# KiCad board BACKUP_PCB.kicad_pcb (continued)
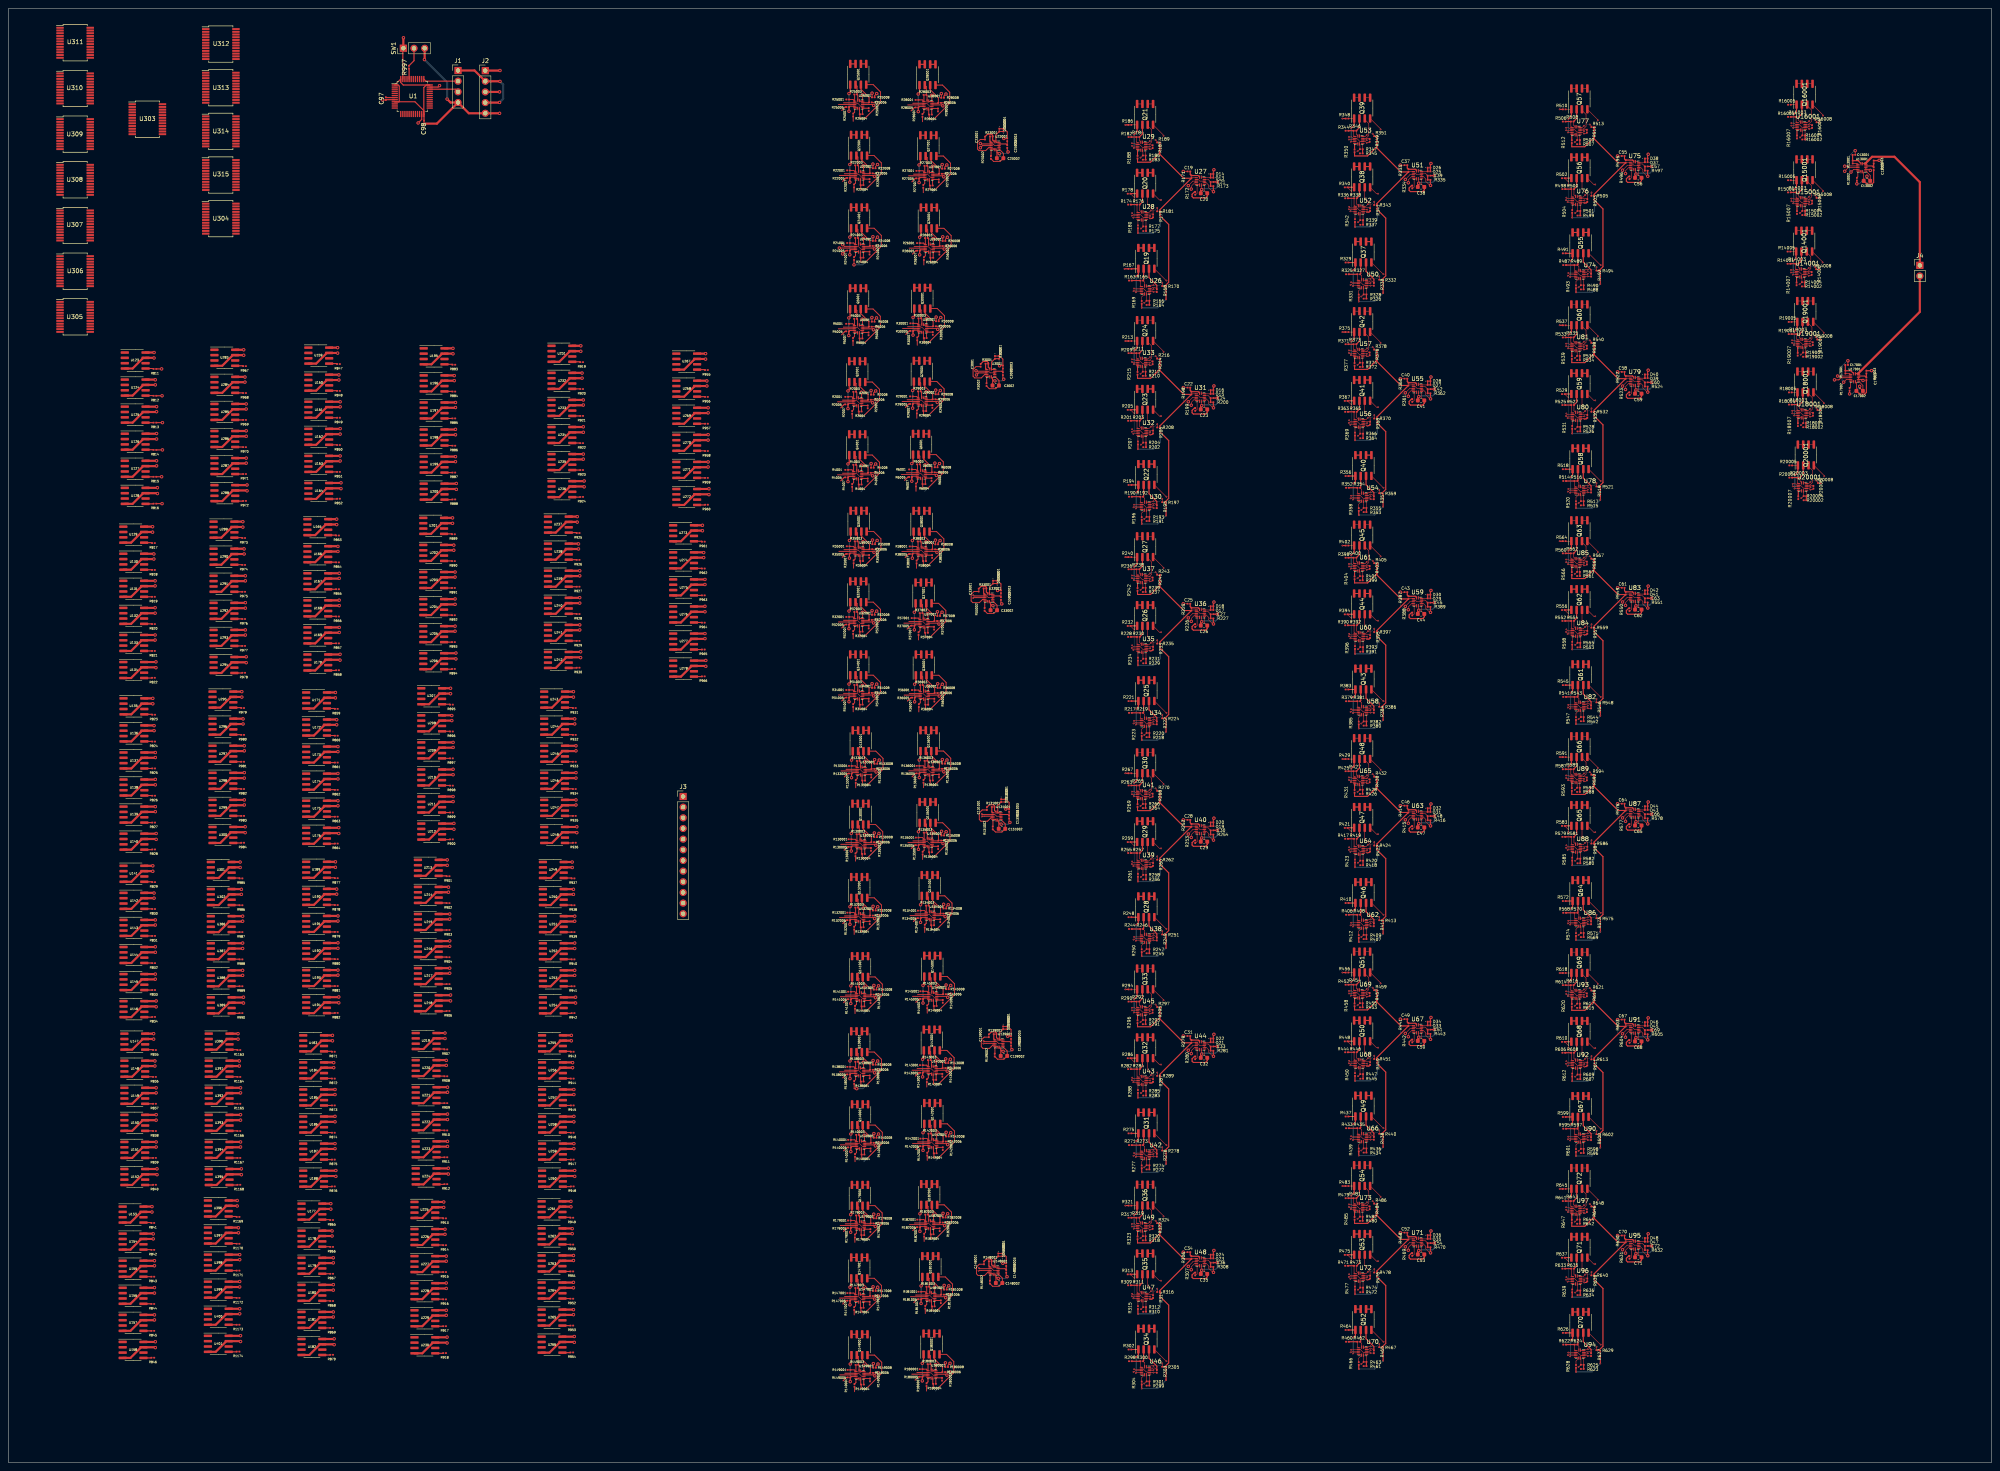
[diagram p0: board, top side]
## Routing (per net, layer and track width the routed paths; a pad name or vN(x,y) marks a point on that pad's centre or on a via; arc(x,y) is an arc through that point) (continued)
/InNeuron_1/Adder3/SUM_IN: length 60.6
  Top w0.2: v2(223.66,291.98) 223.18,291.5 R26008.2 ; R27007.2 217.93,302.6 ; v2(207.03,309.3) 206.55,308.82 R22008.2 ; R24008.2 206.55,291.52 v2(207.03,292) ; R24007.2 v2(201.43,285.4) ; v2(206.83,326.2) 206.35,325.72 R25008.2 ; R25007.2 201.23,319.6 ; R28007.2 217.73,319.5 ; R27008.2 223.05,308.72 v2(223.53,309.2) ; R22007.2 201.43,302.7 ; R28008.2 222.85,325.62 v2(223.33,326.1) ; R26007.2 218.06,285.38
  Top w0.25: 234.08,314.62 234.05,314.62 233.81,314.87 R23001.1
  Bottom w0.2: v2(206.83,326.2) 207.53,325.5 ; 224.23,306.8 220.03,302.6 ; v2(207.03,309.3) 207.73,308.6 ; 207.53,323.8 203.33,319.6 ; v2(223.53,309.2) 224.23,308.5 ; 224.03,323.7 219.83,319.5 ; v2(223.33,326.1) 224.03,325.4 ; v2(201.43,285.4) 203.53,285.4 207.73,289.6 207.73,291.3 v2(207.03,292) ; v2(223.66,291.98) 224.36,291.27 ; 224.36,289.57 220.16,285.38 ; 207.73,306.9 203.53,302.7
/InNeuron_1/OUT: length 4.6
  Top w0.2: D23002.1 D23001.2 235.23,316.38 U23001.13 235.38,314.6 U23001.12
/InNeuron_2/Adder3/SUM_IN: length 56.8
  Top w0.2: R4007.2 200.99,231.35 ; R6007.2 216.19,231.45 ; R4008.2 206.11,237.47 v2(206.59,237.95) ; v2(206.59,255.35) 206.11,254.87 R2008.2 ; v2(221.79,238.05) 221.31,237.57 R6008.2 ; R30007.2 216.49,266.25 ; R29007.2 216.39,248.85 ; v2(206.79,272.75) 206.31,272.27 R5008.2 ; v2(222.09,272.85) 221.61,272.37 R30008.2 ; R5007.2 201.19,266.15 ; R2007.2 200.99,248.75 ; R29008.2 221.51,254.97 v2(221.99,255.45)
  Top w0.25: 233.04,260.48 233.01,260.48 232.77,260.72 R3001.1
  Bottom w0.2: v2(206.59,237.95) 207.29,237.25 ; 207.49,270.35 203.29,266.15 ; 222.79,270.45 218.59,266.25 ; v2(221.99,255.45) 222.69,254.75 ; v2(206.79,272.75) 207.49,272.05 ; v2(222.09,272.85) 222.79,272.15 ; v2(206.59,255.35) 207.29,254.65 ; 207.29,235.55 203.09,231.35 ; 222.49,235.65 218.29,231.45 ; 207.29,252.95 203.09,248.75 ; 222.69,253.05 218.49,248.85 ; v2(221.79,238.05) 222.49,237.35
/InNeuron_2/OUT: length 4.6
  Top w0.2: U3001.12 234.34,260.45 U3001.13 234.19,262.23 D3001.2 D3002.1
/InNeuron_3/Adder3/SUM_IN: length 56.8
  Top w0.2: v2(222.46,185.47) 221.98,185 R36008.2 ; R38008.2 221.45,219.22 v2(221.93,219.7) ; v2(206.93,219.72) 206.45,219.25 R35008.2 ; v2(206.83,185.5) 206.35,185.02 R34008.2 ; R37008.2 221.92,202.15 v2(222.4,202.62) ; R32007.2 201.23,196.3 ; R32008.2 206.35,202.42 v2(206.83,202.9) ; R38007.2 216.33,213.1 ; R35007.2 201.33,213.12 ; R36007.2 216.86,178.88 ; R37007.2 216.8,196.03 ; R34007.2 201.23,178.9
  Top w0.25: 232.58,206.93 232.55,206.93 232.31,207.17 R33001.1
  Bottom w0.2: v2(206.83,185.5) 207.53,184.8 ; 222.63,217.3 218.43,213.1 ; v2(222.4,202.62) 223.1,201.93 ; 207.53,200.5 203.33,196.3 ; v2(221.93,219.7) 222.63,219 ; 207.63,217.32 203.43,213.12 ; 223.1,200.22 218.9,196.03 ; 207.53,183.1 203.33,178.9 ; v2(222.46,185.47) 223.16,184.78 ; v2(206.83,202.9) 207.53,202.2 ; v2(206.93,219.72) 207.63,219.03 ; 223.16,183.07 218.96,178.88
/InNeuron_3/OUT: length 4.6
  Top w0.2: U33001.12 233.88,206.9 U33001.13 233.73,208.68 D33001.2 D33002.1
/InNeuron_4/Adder3/SUM_IN: length 56.8
  Top w0.2: v2(223.57,167.43) 223.09,166.94 R136008.2 ; R130007.2 201.77,143.32 ; v2(207.44,167.4) 206.96,166.92 R133008.2 ; R130008.2 206.89,149.44 v2(207.37,149.93) ; R134007.2 218.27,126.32 ; R135008.2 222.89,149.84 v2(223.37,150.32) ; R134008.2 223.39,132.44 v2(223.87,132.93) ; R132007.2 201.47,125.85 ; R136007.2 217.97,160.82 ; R132008.2 206.59,131.97 v2(207.07,132.45) ; R133007.2 201.84,160.8 ; R135007.2 217.77,143.72
  Top w0.25: R131001.1 234.25,155.09 234.49,154.85 234.52,154.85
  Bottom w0.2: v2(207.07,132.45) 207.77,131.75 ; v2(223.37,150.32) 224.07,149.62 ; 208.07,147.53 203.87,143.32 ; 224.57,130.53 220.37,126.32 ; 208.14,165 203.94,160.8 ; v2(223.87,132.93) 224.57,132.22 ; v2(207.37,149.93) 208.07,149.22 ; 224.27,165.03 220.07,160.82 ; v2(223.57,167.43) 224.27,166.72 ; 224.07,147.93 219.87,143.72 ; 207.77,130.05 203.57,125.85 ; v2(207.44,167.4) 208.14,166.7
/InNeuron_4/OUT: length 4.6
  Top w0.2: 236.42,154.82 235.82,154.82 U131001.13 235.67,156.6 D131001.2 D131002.1
/InNeuron_5/Adder3/SUM_IN: length 58.9
  Top w0.2: R142007.2 218.87,72 ; R145007.2 218.87,107.1 ; R138008.2 206.59,95.22 v2(207.07,95.7) ; R143007.2 218.77,89.5 ; v2(207.27,113.6) 206.79,113.12 R141008.2 ; R145008.2 223.99,113.22 v2(224.47,113.7) ; R141007.2 201.67,107 ; R140007.2 201.67,71.7 ; R142008.2 223.99,78.12 v2(224.47,78.6) ; v2(224.37,96.1) 223.89,95.62 R143008.2 ; v2(207.27,78.3) 206.79,77.82 R140008.2 ; R138007.2 201.47,89.1
  Top w0.25: 201.47,89.1 v2(202.07,89.1) ; R139001.1 234.72,100.97 234.96,100.73 234.99,100.73
  Bottom w0.2: 225.17,76.2 220.97,72 ; 207.97,75.9 203.77,71.7 ; v2(224.47,113.7) 225.17,113 ; v2(207.07,95.7) 207.77,95 ; v2(224.37,96.1) 225.07,95.4 ; v2(207.27,113.6) 207.97,112.9 ; v2(207.27,78.3) 207.97,77.6 ; v2(224.47,78.6) 225.17,77.9 ; 207.97,111.2 203.77,107 ; 207.77,93.3 203.57,89.1 ; 225.07,93.7 220.87,89.5 ; 225.17,111.3 220.97,107.1
  Bottom w0.25: v2(202.07,89.1) 203.57,89.1
/InNeuron_5/OUT: length 4.6
  Top w0.2: D139002.1 D139001.2 236.14,102.48 U139001.13 236.29,100.7 U139001.12
/InNeuron_6/Adder3/SUM_IN: length 56.8
  Top w0.2: R181008.2 223.52,41.64 v2(224,42.12) ; R182007.2 218.13,52.69 ; R149008.2 206.65,23.01 v2(207.13,23.49) ; R181007.2 218.4,35.52 ; R180007.2 218.7,17.07 ; v2(223.73,59.29) 223.25,58.81 R182008.2 ; R147008.2 206.59,41.31 v2(207.07,41.79) ; v2(207.23,59.09) 206.75,58.61 R179008.2 ; R179007.2 201.63,52.49 ; v2(224.3,23.67) 223.82,23.19 R180008.2 ; R149007.2 201.53,16.89 ; R147007.2 201.47,35.19
  Top w0.25: 233.83,46.62 233.81,46.62 233.56,46.86 R148001.1
  Bottom w0.2: 224.43,56.89 220.23,52.69 ; 225,21.27 220.8,17.07 ; 224.7,39.72 220.5,35.52 ; v2(207.23,59.09) 207.93,58.39 ; 207.93,56.69 203.73,52.49 ; v2(224.3,23.67) 225,22.97 ; v2(224,42.12) 224.7,41.42 ; v2(207.07,41.79) 207.77,41.09 ; 207.77,39.39 203.57,35.19 ; 207.83,21.09 203.63,16.89 ; v2(207.13,23.49) 207.83,22.79 ; v2(223.73,59.29) 224.43,58.59
/InNeuron_6/OUT: length 4.6
  Top w0.2: D148002.1 D148001.2 234.98,48.37 U148001.13 235.13,46.59 U148001.12
/L5_OUT1: length 36.8
  Top w0.2: U13001.13 442.29,309.5 U13001.12
  Top w0.5: 442.29,309.5 443.94,311.15 449.26,311.15 455.31,305.1 J4.1
/L5_OUT2: length 30.2
  Top w0.2: U17001.13 440.56,259.45 U17001.12
  Top w0.5: 440.56,259.45 455.31,274.2 J4.2
/Neuron6_1/Adder2/SUM_IN: length 74
  Top w0.1: U27.1 281.91,306.15
  Top w0.25: R169.2 v1(269.96,275.15) ; R188.2 268.96,309.85 272.06,309.85 274.28,312.07 R189.2 274.28,311.73 279.98,306.03 R171.1 274.28,298.51 R181.2 274.36,298.07 v1(274.36,297.05) 276.38,295.02 276.38,281.25 R170.2 275.76,280.07 v1(275.76,277.15) ; R180.2 v1(269.06,292.95)
  Bottom w0.25: v1(269.06,292.95) 272.76,292.95 274.36,294.55 v1(274.36,297.05) ; v1(269.96,275.15) 273.76,275.15 v1(275.76,277.15)
/Neuron6_1/OUT: length 3.2
  Top w0.1: D13.2 U27.12 284.74,306.3 U27.13
  Top w0.25: D14.1 D13.2
/Neuron6_2/Adder2/SUM_IN: length 74
  Top w0.1: U31.1 281.91,254.65
  Top w0.25: R215.2 268.96,258.35 272.06,258.35 274.28,260.57 R216.2 274.28,260.23 279.98,254.53 R198.1 274.28,247.01 R208.2 274.36,246.57 v1(274.36,245.55) 276.38,243.52 276.38,229.75 R197.2 275.76,228.57 v1(275.76,225.65) ; R207.2 v1(269.06,241.45) ; R196.2 v1(269.96,223.65)
  Bottom w0.25: v1(275.76,225.65) 273.76,223.65 v1(269.96,223.65) ; v1(269.06,241.45) 272.76,241.45 274.36,243.05 v1(274.36,245.55)
/Neuron6_3/Adder2/SUM_IN: length 74
  Top w0.1: U36.1 281.91,203.15
  Top w0.25: R234.2 v1(269.06,189.95) ; R242.2 268.96,206.85 272.06,206.85 274.28,209.07 R243.2 274.28,208.73 279.98,203.03 R225.1 274.28,195.51 R235.2 274.36,195.07 v1(274.36,194.05) 276.38,192.02 276.38,178.25 R224.2 275.76,177.07 v1(275.76,174.15) ; R223.2 v1(269.96,172.15)
  Bottom w0.25: v1(269.96,172.15) 273.76,172.15 v1(275.76,174.15) ; v1(269.06,189.95) 272.76,189.95 274.36,191.55 v1(274.36,194.05)
/Neuron6_4/Adder2/SUM_IN: length 74
  Top w0.1: U40.1 281.91,151.65
  Top w0.25: v1(275.76,122.65) 275.76,125.57 R251.2 276.38,126.75 276.38,140.52 v1(274.36,142.55) 274.36,143.57 R262.2 274.28,144.01 R252.1 279.98,151.53 274.28,157.23 R270.2 274.28,157.57 272.06,155.35 268.96,155.35 R269.2 ; R261.2 v1(269.06,138.45) ; R250.2 v1(269.96,120.65)
  Bottom w0.25: v1(269.06,138.45) 272.76,138.45 274.36,140.05 v1(274.36,142.55) ; v1(269.96,120.65) 273.76,120.65 v1(275.76,122.65)
/Neuron6_5/Adder2/SUM_IN: length 74
  Top w0.1: U44.1 281.91,100.15
  Top w0.25: R277.2 v1(269.96,69.15) ; R288.2 v1(269.06,86.95) ; v1(275.76,71.15) 275.76,74.07 R278.2 276.38,75.25 276.38,89.02 v1(274.36,91.05) 274.36,92.07 R289.2 274.28,92.51 R279.1 279.98,100.03 274.28,105.73 R297.2 274.28,106.07 272.06,103.85 268.96,103.85 R296.2
  Bottom w0.25: v1(275.76,71.15) 273.76,69.15 v1(269.96,69.15) ; v1(274.36,91.05) 274.36,88.55 272.76,86.95 v1(269.06,86.95)
/Neuron6_6/Adder2/SUM_IN: length 74
  Top w0.1: U48.1 281.91,48.65
  Top w0.25: R315.2 v1(269.06,35.45) ; v1(275.76,19.65) 275.76,22.57 R305.2 276.38,23.75 276.38,37.52 v1(274.36,39.55) 274.36,40.57 R316.2 274.28,41.01 R306.1 279.98,48.53 274.28,54.23 R324.2 274.28,54.57 272.06,52.35 268.96,52.35 R323.2 ; R304.2 v1(269.96,17.65)
  Bottom w0.25: v1(275.76,19.65) 273.76,17.65 v1(269.96,17.65) ; v1(274.36,39.55) 274.36,37.05 272.76,35.45 v1(269.06,35.45)
/Neuron6_7/Adder2/SUM_IN: length 74
  Top w0.1: U51.1 333.61,307.65
  Top w0.25: R342.2 v1(320.76,294.45) ; v1(327.46,278.65) 327.46,281.57 R332.2 328.08,282.75 328.08,296.52 v1(326.06,298.55) 326.06,299.57 R343.2 325.98,300.01 R333.1 331.68,307.53 325.98,313.23 R351.2 325.98,313.57 323.76,311.35 320.66,311.35 R350.2 ; R331.2 v1(321.66,276.65)
  Bottom w0.25: v1(326.06,298.55) 326.06,296.05 324.46,294.45 v1(320.76,294.45) ; v1(327.46,278.65) 325.46,276.65 v1(321.66,276.65)
/Neuron6_8/Adder2/SUM_IN: length 74
  Top w0.1: U55.1 333.61,256.78
  Top w0.25: R369.2 v1(320.76,243.58) ; v1(327.46,227.78) 327.46,230.7 R359.2 328.08,231.88 328.08,245.65 v1(326.06,247.68) 326.06,248.7 R370.2 325.98,249.14 R360.1 331.68,256.66 325.98,262.36 R378.2 325.98,262.7 323.76,260.48 320.66,260.48 R377.2 ; R358.2 v1(321.66,225.78)
  Bottom w0.25: v1(320.76,243.58) 324.46,243.58 326.06,245.18 v1(326.06,247.68) ; v1(327.46,227.78) 325.46,225.78 v1(321.66,225.78)
/Neuron6_9/Adder2/SUM_IN: length 74
  Top w0.1: U59.1 333.61,205.91
  Top w0.25: v1(327.46,176.91) 327.46,179.83 R386.2 328.08,181.01 328.08,194.78 v1(326.06,196.81) 326.06,197.83 R397.2 325.98,198.27 R387.1 331.68,205.79 325.98,211.49 R405.2 325.98,211.83 323.76,209.61 320.66,209.61 R404.2 ; R385.2 v1(321.66,174.91) ; R396.2 v1(320.76,192.71)
  Bottom w0.25: v1(326.06,196.81) 326.06,194.31 324.46,192.71 v1(320.76,192.71) ; v1(321.66,174.91) 325.46,174.91 v1(327.46,176.91)
/Neuron6_10/Adder2/SUM_IN: length 74
  Top w0.1: U63.1 333.61,155.04
  Top w0.25: R412.2 v1(321.66,124.04) ; R431.2 320.66,158.74 323.76,158.74 325.98,160.96 R432.2 325.98,160.62 331.68,154.92 R414.1 325.98,147.4 R424.2 326.06,146.96 v1(326.06,145.94) 328.08,143.91 328.08,130.14 R413.2 327.46,128.96 v1(327.46,126.04) ; R423.2 v1(320.76,141.84)
  Bottom w0.25: v1(326.06,145.94) 326.06,143.44 324.46,141.84 v1(320.76,141.84) ; v1(327.46,126.04) 325.46,124.04 v1(321.66,124.04)
/Neuron6_10/IN2: length 3.2
  Top w0.1: D15.2 U31.12 284.74,254.8 U31.13
  Top w0.25: D16.1 D15.2
/Neuron6_10/IN3: length 3.2
  Top w0.1: U36.13 284.74,203.3 U36.12 D17.2
  Top w0.25: D18.1 D17.2
/Neuron6_10/IN4: length 3.2
  Top w0.1: U40.13 284.74,151.8 U40.12 D19.2
  Top w0.25: D20.1 D19.2
/Neuron6_10/IN5: length 3.2
  Top w0.1: U44.13 284.74,100.3 U44.12 D21.2
  Top w0.25: D22.1 D21.2
/Neuron6_10/IN6: length 3.2
  Top w0.1: D23.2 U48.12 284.74,48.8 U48.13
  Top w0.25: D24.1 D23.2
/Neuron6_10/OUT: length 3.2
  Top w0.1: D31.2 U63.12 336.44,155.19 U63.13
  Top w0.25: D32.1 D31.2
/Neuron6_11/Adder2/SUM_IN: length 74
  Top w0.1: U67.1 333.61,104.17
  Top w0.25: R458.2 320.66,107.87 323.76,107.87 325.98,110.09 R459.2 325.98,109.75 331.68,104.05 R441.1 325.98,96.53 R451.2 326.06,96.09 v1(326.06,95.07) 328.08,93.04 328.08,79.27 R440.2 327.46,78.09 v1(327.46,75.17) ; R450.2 v1(320.76,90.97) ; R439.2 v1(321.66,73.17)
  Bottom w0.25: v1(320.76,90.97) 324.46,90.97 326.06,92.57 v1(326.06,95.07) ; v1(327.46,75.17) 325.46,73.17 v1(321.66,73.17)
/Neuron6_11/OUT: length 3.2
  Top w0.1: D33.2 U67.12 336.44,104.32 U67.13
  Top w0.25: D34.1 D33.2
/Neuron6_12/Adder2/SUM_IN: length 74
  Top w0.1: U71.1 333.61,53.3
  Top w0.25: v1(327.46,24.3) 327.46,27.22 R467.2 328.08,28.4 328.08,42.17 v1(326.06,44.2) 326.06,45.22 R478.2 325.98,45.66 R468.1 331.68,53.18 325.98,58.88 R486.2 325.98,59.22 323.76,57 320.66,57 R485.2 ; R466.2 v1(321.66,22.3) ; R477.2 v1(320.76,40.1)
  Bottom w0.25: v1(326.06,44.2) 326.06,41.7 324.46,40.1 v1(320.76,40.1) ; v1(327.46,24.3) 325.46,22.3 v1(321.66,22.3)
/Neuron6_12/OUT: length 3.2
  Top w0.1: U71.13 336.44,53.45 U71.12 D35.2
  Top w0.25: D36.1 D35.2
/Neuron6_13/Adder2/SUM_IN: length 74
  Top w0.1: U75.1 385.36,309.84
  Top w0.25: R504.2 v1(372.5,296.64) ; R512.2 372.4,313.54 375.5,313.54 377.72,315.76 R513.2 377.72,315.42 383.42,309.72 R495.1 377.72,302.2 R505.2 377.8,301.76 v1(377.8,300.74) 379.82,298.71 379.82,284.94 R494.2 379.2,283.76 v1(379.2,280.84) ; R493.2 v1(373.4,278.84)
  Bottom w0.25: v1(373.4,278.84) 377.2,278.84 v1(379.2,280.84) ; v1(377.8,300.74) 377.8,298.24 376.2,296.64 v1(372.5,296.64)
/Neuron6_13/IN1: length 3.2
  Top w0.1: U51.13 336.44,307.8 U51.12 D25.2
  Top w0.25: D26.1 D25.2
/Neuron6_13/IN2: length 3.2
  Top w0.1: U55.13 336.44,256.93 U55.12 D27.2
  Top w0.25: D28.1 D27.2
/Neuron6_13/IN3: length 3.2
  Top w0.1: D29.2 U59.12 336.44,206.06 U59.13
  Top w0.25: D30.1 D29.2
/Neuron6_13/OUT: length 3.2
  Top w0.1: U75.13 388.19,309.99 U75.12 D37.2
  Top w0.25: D38.1 D37.2
/Neuron6_14/Adder2/SUM_IN: length 74
  Top w0.1: U79.1 385.36,258.39
  Top w0.25: R539.2 372.4,262.09 375.5,262.09 377.72,264.31 R540.2 377.72,263.97 383.42,258.27 R522.1 377.72,250.76 R532.2 377.8,250.31 v1(377.8,249.29) 379.82,247.27 379.82,233.5 R521.2 379.2,232.31 v1(379.2,229.39) ; R520.2 v1(373.4,227.39) ; R531.2 v1(372.5,245.19)
  Bottom w0.25: v1(377.8,249.29) 377.8,246.79 376.2,245.19 v1(372.5,245.19) ; v1(379.2,229.39) 377.2,227.39 v1(373.4,227.39)
/Neuron6_14/OUT: length 3.2
  Top w0.1: D39.2 U79.12 388.19,258.54 U79.13
  Top w0.25: D40.1 D39.2
/Neuron6_15/Adder2/SUM_IN: length 74
  Top w0.1: U83.1 385.36,206.95
  Top w0.25: R558.2 v1(372.5,193.75) ; R547.2 v1(373.4,175.95) ; R566.2 372.4,210.65 375.5,210.65 377.72,212.87 R567.2 377.72,212.53 383.42,206.83 R549.1 377.72,199.31 R559.2 377.8,198.87 v1(377.8,197.85) 379.82,195.82 379.82,182.05 R548.2 379.2,180.87 v1(379.2,177.95)
  Bottom w0.25: v1(377.8,197.85) 377.8,195.35 376.2,193.75 v1(372.5,193.75) ; v1(379.2,177.95) 377.2,175.95 v1(373.4,175.95)
/Neuron6_15/OUT: length 3.2
  Top w0.1: U83.13 388.19,207.1 U83.12 D41.2
  Top w0.25: D42.1 D41.2
/Neuron6_16/Adder2/SUM_IN: length 74
  Top w0.1: U87.1 385.36,155.51
  Top w0.25: v1(379.2,126.51) 379.2,129.43 R575.2 379.82,130.61 379.82,144.38 v1(377.8,146.41) 377.8,147.43 R586.2 377.72,147.87 R576.1 383.42,155.39 377.72,161.09 R594.2 377.72,161.43 375.5,159.21 372.4,159.21 R593.2 ; R574.2 v1(373.4,124.51) ; R585.2 v1(372.5,142.31)
  Bottom w0.25: v1(379.2,126.51) 377.2,124.51 v1(373.4,124.51) ; v1(377.8,146.41) 377.8,143.91 376.2,142.31 v1(372.5,142.31)
/Neuron6_16/OUT: length 3.2
  Top w0.1: U87.13 388.19,155.66 U87.12 D43.2
  Top w0.25: D44.1 D43.2
/Neuron6_17/Adder2/SUM_IN: length 74
  Top w0.1: U91.1 385.36,104.06
  Top w0.25: R612.2 v1(372.5,90.86) ; v1(379.2,75.06) 379.2,77.98 R602.2 379.82,79.17 379.82,92.94 v1(377.8,94.96) 377.8,95.98 R613.2 377.72,96.42 R603.1 383.42,103.94 377.72,109.64 R621.2 377.72,109.98 375.5,107.76 372.4,107.76 R620.2 ; R601.2 v1(373.4,73.06)
  Bottom w0.25: v1(379.2,75.06) 377.2,73.06 v1(373.4,73.06) ; v1(377.8,94.96) 377.8,92.46 376.2,90.86 v1(372.5,90.86)
/Neuron6_17/OUT: length 3.2
  Top w0.1: D45.2 U91.12 388.19,104.21 U91.13
  Top w0.25: D46.1 D45.2
/Neuron6_18/Adder2/SUM_IN: length 74
  Top w0.1: U95.1 385.36,52.62
  Top w0.25: R647.2 372.4,56.32 375.5,56.32 377.72,58.54 R648.2 377.72,58.2 383.42,52.5 R630.1 377.72,44.98 R640.2 377.8,44.54 v1(377.8,43.52) 379.82,41.49 379.82,27.72 R629.2 379.2,26.54 v1(379.2,23.62) ; R628.2 v1(373.4,21.62) ; R639.2 v1(372.5,39.42)
  Bottom w0.25: v1(379.2,23.62) 377.2,21.62 v1(373.4,21.62) ; v1(372.5,39.42) 376.2,39.42 377.8,41.02 v1(377.8,43.52)
/Neuron6_18/OUT: length 3.2
  Top w0.1: D47.2 U95.12 388.19,52.77 U95.13
  Top w0.25: D48.1 D47.2
/NRST: length 2.1
  Top w0.25: 89.97,325.25 U1.7
/OutNeuron_1/AdderOut1/SUM_IN: length 1.3
  Top w0.15: R13001.1 440.32,309.58 U13001.1
/OutNeuron_2/AdderOut1/SUM_IN: length 1.3
  Top w0.15: U17001.1 438.58,259.52 R17001.1
/SWCLK: length 8.4
  Top w0.25: U1.37 99.45,329.16 J1.2
/SWDIO: length 7
  Top w0.25: U1.34 106.47,327.25 J1.3
/W111: length 1.3
  Top w0.25: Q25001.8 Q25001.7
/W112: length 1.3
  Top w0.25: Q25001.6 Q25001.5
/W113: length 1.3
  Top w0.25: Q22001.8 Q22001.7
/W114: length 1.3
  Top w0.25: Q22001.6 Q22001.5
/W115: length 1.3
  Top w0.25: Q24001.8 Q24001.7
/W116: length 1.3
  Top w0.25: Q24001.6 Q24001.5
/W117: length 1.3
  Top w0.25: Q28001.8 Q28001.7
/W118: length 1.3
  Top w0.25: Q28001.6 Q28001.5
/W119: length 1.3
  Top w0.25: Q27001.8 Q27001.7
/W121: length 1.3
  Top w0.25: Q5001.8 Q5001.7
/W122: length 1.3
  Top w0.25: Q5001.6 Q5001.5
/W123: length 1.3
  Top w0.25: Q2001.8 Q2001.7
/W124: length 1.3
  Top w0.25: Q2001.6 Q2001.5
/W125: length 1.3
  Top w0.25: Q4001.8 Q4001.7
/W126: length 1.3
  Top w0.25: Q4001.6 Q4001.5
/W127: length 1.3
  Top w0.25: Q30001.8 Q30001.7
/W128: length 1.3
  Top w0.25: Q30001.6 Q30001.5
/W129: length 1.3
  Top w0.25: Q29001.8 Q29001.7
/W131: length 1.3
  Top w0.25: Q35001.8 Q35001.7
/W132: length 1.3
  Top w0.25: Q35001.6 Q35001.5
/W133: length 1.3
  Top w0.25: Q32001.8 Q32001.7
/W134: length 1.3
  Top w0.25: Q32001.6 Q32001.5
/W135: length 1.3
  Top w0.25: Q34001.8 Q34001.7
/W136: length 1.3
  Top w0.25: Q34001.6 Q34001.5
/W137: length 1.3
  Top w0.25: Q38001.8 Q38001.7
/W138: length 1.3
  Top w0.25: Q38001.6 Q38001.5
/W139: length 1.3
  Top w0.25: Q37001.8 Q37001.7
/W141: length 1.3
  Top w0.25: Q133001.8 Q133001.7
/W142: length 1.3
  Top w0.25: Q133001.6 Q133001.5
/W143: length 1.3
  Top w0.25: Q130001.8 Q130001.7
/W144: length 1.3
  Top w0.25: Q130001.6 Q130001.5
/W145: length 1.3
  Top w0.25: Q132001.8 Q132001.7
/W146: length 1.3
  Top w0.25: Q132001.6 Q132001.5
/W147: length 1.3
  Top w0.25: Q136001.8 Q136001.7
/W148: length 1.3
  Top w0.25: Q136001.6 Q136001.5
/W149: length 1.3
  Top w0.25: Q135001.8 Q135001.7
/W151: length 1.3
  Top w0.25: 200.96,120.68 202.23,120.68
/W152: length 1.3
  Top w0.25: 203.5,120.68 204.77,120.68
/W153: length 1.3
  Top w0.25: Q138001.8 Q138001.7
/W154: length 1.3
  Top w0.25: Q138001.6 Q138001.5
/W155: length 1.3
  Top w0.25: Q140001.8 Q140001.7
/W156: length 1.3
  Top w0.25: Q140001.6 Q140001.5
/W157: length 1.3
  Top w0.25: Q145001.8 Q145001.7
/W158: length 1.3
  Top w0.25: Q145001.6 Q145001.5
/W159: length 1.3
  Top w0.25: 218.06,103.18 219.33,103.18
/W161: length 1.3
  Top w0.25: Q179001.8 Q179001.7
/W162: length 1.3
  Top w0.25: Q179001.6 Q179001.5
/W163: length 1.3
  Top w0.25: Q147001.8 Q147001.7
/W164: length 1.3
  Top w0.25: Q147001.6 Q147001.5
/W165: length 1.3
  Top w0.25: Q149001.8 Q149001.7
/W166: length 1.3
  Top w0.25: Q149001.6 Q149001.5
/W167: length 1.3
  Top w0.25: Q182001.8 Q182001.7
/W168: length 1.3
  Top w0.25: Q182001.6 Q182001.5
/W169: length 1.3
  Top w0.25: Q181001.8 Q181001.7
/W211: length 1.3
  Top w0.1: Q21.7 Q21.8
/W212: length 1.3
  Top w0.1: Q21.6 Q21.5
/W213: length 1.3
  Top w0.25: Q19.8 Q19.7
/W214: length 1.3
  Top w0.25: Q19.6 Q19.5
/W215: length 1.3
  Top w0.25: Q20.7 Q20.8
/W216: length 1.3
  Top w0.25: Q20.6 Q20.5
/W221: length 1.3
  Top w0.1: Q24.7 Q24.8
/W222: length 1.3
  Top w0.1: Q24.6 Q24.5
/W223: length 1.3
  Top w0.25: Q22.8 Q22.7
/W224: length 1.3
  Top w0.25: Q22.6 Q22.5
/W225: length 1.3
  Top w0.25: Q23.7 Q23.8
/W226: length 1.3
  Top w0.25: Q23.6 Q23.5
/W231: length 1.3
  Top w0.1: Q27.7 Q27.8
/W232: length 1.3
  Top w0.1: Q27.6 Q27.5
/W233: length 1.3
  Top w0.25: Q25.8 Q25.7
/W234: length 1.3
  Top w0.25: Q25.6 Q25.5
/W235: length 1.3
  Top w0.25: Q26.7 Q26.8
/W236: length 1.3
  Top w0.25: Q26.6 Q26.5
/W241: length 1.3
  Top w0.1: Q30.7 Q30.8
/W242: length 1.3
  Top w0.1: Q30.6 Q30.5
/W243: length 1.3
  Top w0.25: Q28.8 Q28.7
/W244: length 1.3
  Top w0.25: Q28.6 Q28.5
/W245: length 1.3
  Top w0.25: Q29.7 Q29.8
/W246: length 1.3
  Top w0.25: Q29.6 Q29.5
/W251: length 1.3
  Top w0.1: Q33.7 Q33.8
/W252: length 1.3
  Top w0.1: Q33.6 Q33.5
/W253: length 1.3
  Top w0.25: Q31.8 Q31.7
/W254: length 1.3
  Top w0.25: Q31.6 Q31.5
/W255: length 1.3
  Top w0.25: Q32.7 Q32.8
/W256: length 1.3
  Top w0.25: Q32.6 Q32.5
/W261: length 1.3
  Top w0.1: Q36.7 Q36.8
/W262: length 1.3
  Top w0.1: Q36.6 Q36.5
/W263: length 1.3
  Top w0.25: Q34.8 Q34.7
/W264: length 1.3
  Top w0.25: Q34.6 Q34.5
/W265: length 1.3
  Top w0.25: Q35.7 Q35.8
/W266: length 1.3
  Top w0.25: Q35.6 Q35.5
/W311: length 1.3
  Top w0.1: Q39.7 Q39.8
/W312: length 1.3
  Top w0.1: Q39.6 Q39.5
/W313: length 1.3
  Top w0.25: Q37.8 Q37.7
/W314: length 1.3
  Top w0.25: Q37.6 Q37.5
/W315: length 1.3
  Top w0.25: Q38.7 Q38.8
/W316: length 1.3
  Top w0.25: Q38.6 Q38.5
/W321: length 1.3
  Top w0.1: Q42.7 Q42.8
/W322: length 1.3
  Top w0.1: Q42.6 Q42.5
/W323: length 1.3
  Top w0.25: Q40.8 Q40.7
/W324: length 1.3
  Top w0.25: Q40.6 Q40.5
/W325: length 1.3
  Top w0.25: Q41.7 Q41.8
/W326: length 1.3
  Top w0.25: Q41.6 Q41.5
/W331: length 1.3
  Top w0.1: Q45.7 Q45.8
/W332: length 1.3
  Top w0.1: Q45.6 Q45.5
/W333: length 1.3
  Top w0.25: Q43.8 Q43.7
/W334: length 1.3
  Top w0.25: Q43.6 Q43.5
/W335: length 1.3
  Top w0.25: Q44.7 Q44.8
/W336: length 1.3
  Top w0.25: Q44.6 Q44.5
/W341: length 1.3
  Top w0.1: Q48.7 Q48.8
/W342: length 1.3
  Top w0.1: Q48.6 Q48.5
/W343: length 1.3
  Top w0.25: Q46.8 Q46.7
/W344: length 1.3
  Top w0.25: Q46.6 Q46.5
/W345: length 1.3
  Top w0.25: Q47.7 Q47.8
/W346: length 1.3
  Top w0.25: Q47.6 Q47.5
/W351: length 1.3
  Top w0.1: Q51.7 Q51.8
/W352: length 1.3
  Top w0.1: Q51.6 Q51.5
/W353: length 1.3
  Top w0.25: Q49.8 Q49.7
/W354: length 1.3
  Top w0.25: Q49.6 Q49.5
/W355: length 1.3
  Top w0.25: Q50.7 Q50.8
/W356: length 1.3
  Top w0.25: Q50.6 Q50.5
/W361: length 1.3
  Top w0.1: Q54.7 Q54.8
/W362: length 1.3
  Top w0.1: Q54.6 Q54.5
/W363: length 1.3
  Top w0.25: Q52.8 Q52.7
/W364: length 1.3
  Top w0.25: Q52.6 Q52.5
/W365: length 1.3
  Top w0.25: Q53.7 Q53.8
/W366: length 1.3
  Top w0.25: Q53.6 Q53.5
/W411: length 1.3
  Top w0.1: Q57.7 Q57.8
/W412: length 1.3
  Top w0.1: Q57.6 Q57.5
/W413: length 1.3
  Top w0.25: Q55.8 Q55.7
/W414: length 1.3
  Top w0.25: Q55.6 Q55.5
/W415: length 1.3
  Top w0.25: Q56.7 Q56.8
/W416: length 1.3
  Top w0.25: Q56.6 Q56.5
/W421: length 1.3
  Top w0.1: Q60.7 Q60.8
/W422: length 1.3
  Top w0.1: Q60.6 Q60.5
/W423: length 1.3
  Top w0.25: Q58.8 Q58.7
/W424: length 1.3
  Top w0.25: Q58.6 Q58.5
/W425: length 1.3
  Top w0.25: Q59.7 Q59.8
/W426: length 1.3
  Top w0.25: Q59.6 Q59.5
/W431: length 1.3
  Top w0.1: Q63.7 Q63.8
/W432: length 1.3
  Top w0.1: Q63.6 Q63.5
/W433: length 1.3
  Top w0.25: Q61.8 Q61.7
/W434: length 1.3
  Top w0.25: Q61.6 Q61.5
/W435: length 1.3
  Top w0.25: Q62.7 Q62.8
/W436: length 1.3
  Top w0.25: Q62.6 Q62.5
/W441: length 1.3
  Top w0.1: Q66.7 Q66.8
/W442: length 1.3
  Top w0.1: Q66.6 Q66.5
/W443: length 1.3
  Top w0.25: Q64.8 Q64.7
/W444: length 1.3
  Top w0.25: Q64.6 Q64.5
/W445: length 1.3
  Top w0.25: Q65.7 Q65.8
/W446: length 1.3
  Top w0.25: Q65.6 Q65.5
/W451: length 1.3
  Top w0.1: Q69.7 Q69.8
/W452: length 1.3
  Top w0.1: Q69.6 Q69.5
/W453: length 1.3
  Top w0.25: Q67.8 Q67.7
/W454: length 1.3
  Top w0.25: Q67.6 Q67.5
/W455: length 1.3
  Top w0.25: Q68.7 Q68.8
/W456: length 1.3
  Top w0.25: Q68.6 Q68.5
/W461: length 1.3
  Top w0.1: Q72.7 Q72.8
/W462: length 1.3
  Top w0.1: Q72.6 Q72.5
/W463: length 1.3
  Top w0.25: Q70.8 Q70.7
/W464: length 1.3
  Top w0.25: Q70.6 Q70.5
/W465: length 1.3
  Top w0.25: Q71.7 Q71.8
/W466: length 1.3
  Top w0.25: Q71.6 Q71.5
/W511: length 1.3
  Top w0.1: Q16001.7 Q16001.8
/W512: length 1.3
  Top w0.1: Q16001.6 Q16001.5
/W513: length 1.3
  Top w0.1: Q14001.7 Q14001.8
/W514: length 1.3
  Top w0.1: Q14001.6 Q14001.5
/W515: length 1.3
  Top w0.1: Q15001.7 Q15001.8
/W516: length 1.3
  Top w0.1: Q15001.6 Q15001.5
/W521: length 1.3
  Top w0.1: Q20001.7 Q20001.8
/W522: length 1.3
  Top w0.1: Q20001.6 Q20001.5
/W523: length 1.3
  Top w0.1: Q18001.7 Q18001.8
/W524: length 1.3
  Top w0.1: Q18001.6 Q18001.5
/W525: length 1.3
  Top w0.1: Q19001.7 Q19001.8
/W526: length 1.3
  Top w0.1: Q19001.6 Q19001.5
/W1110: length 1.3
  Top w0.25: Q27001.6 Q27001.5
/W1111: length 1.3
  Top w0.25: Q26001.8 Q26001.7
/W1112: length 1.3